# Altium PCB SolderingStation.PcbDoc (part 2 of 2)
Units mm, origin at the board's own origin, x right, y up, seen from the top; angles counter-clockwise.
Board outline 138.15 x 60.81 mm, 2 copper layers (Top Layer, Bottom Layer), stack 1.671 mm thick; 230 components, 136 nets, 690 pads, 476 vias.
Unrouted connection lines stored in the file: 7.
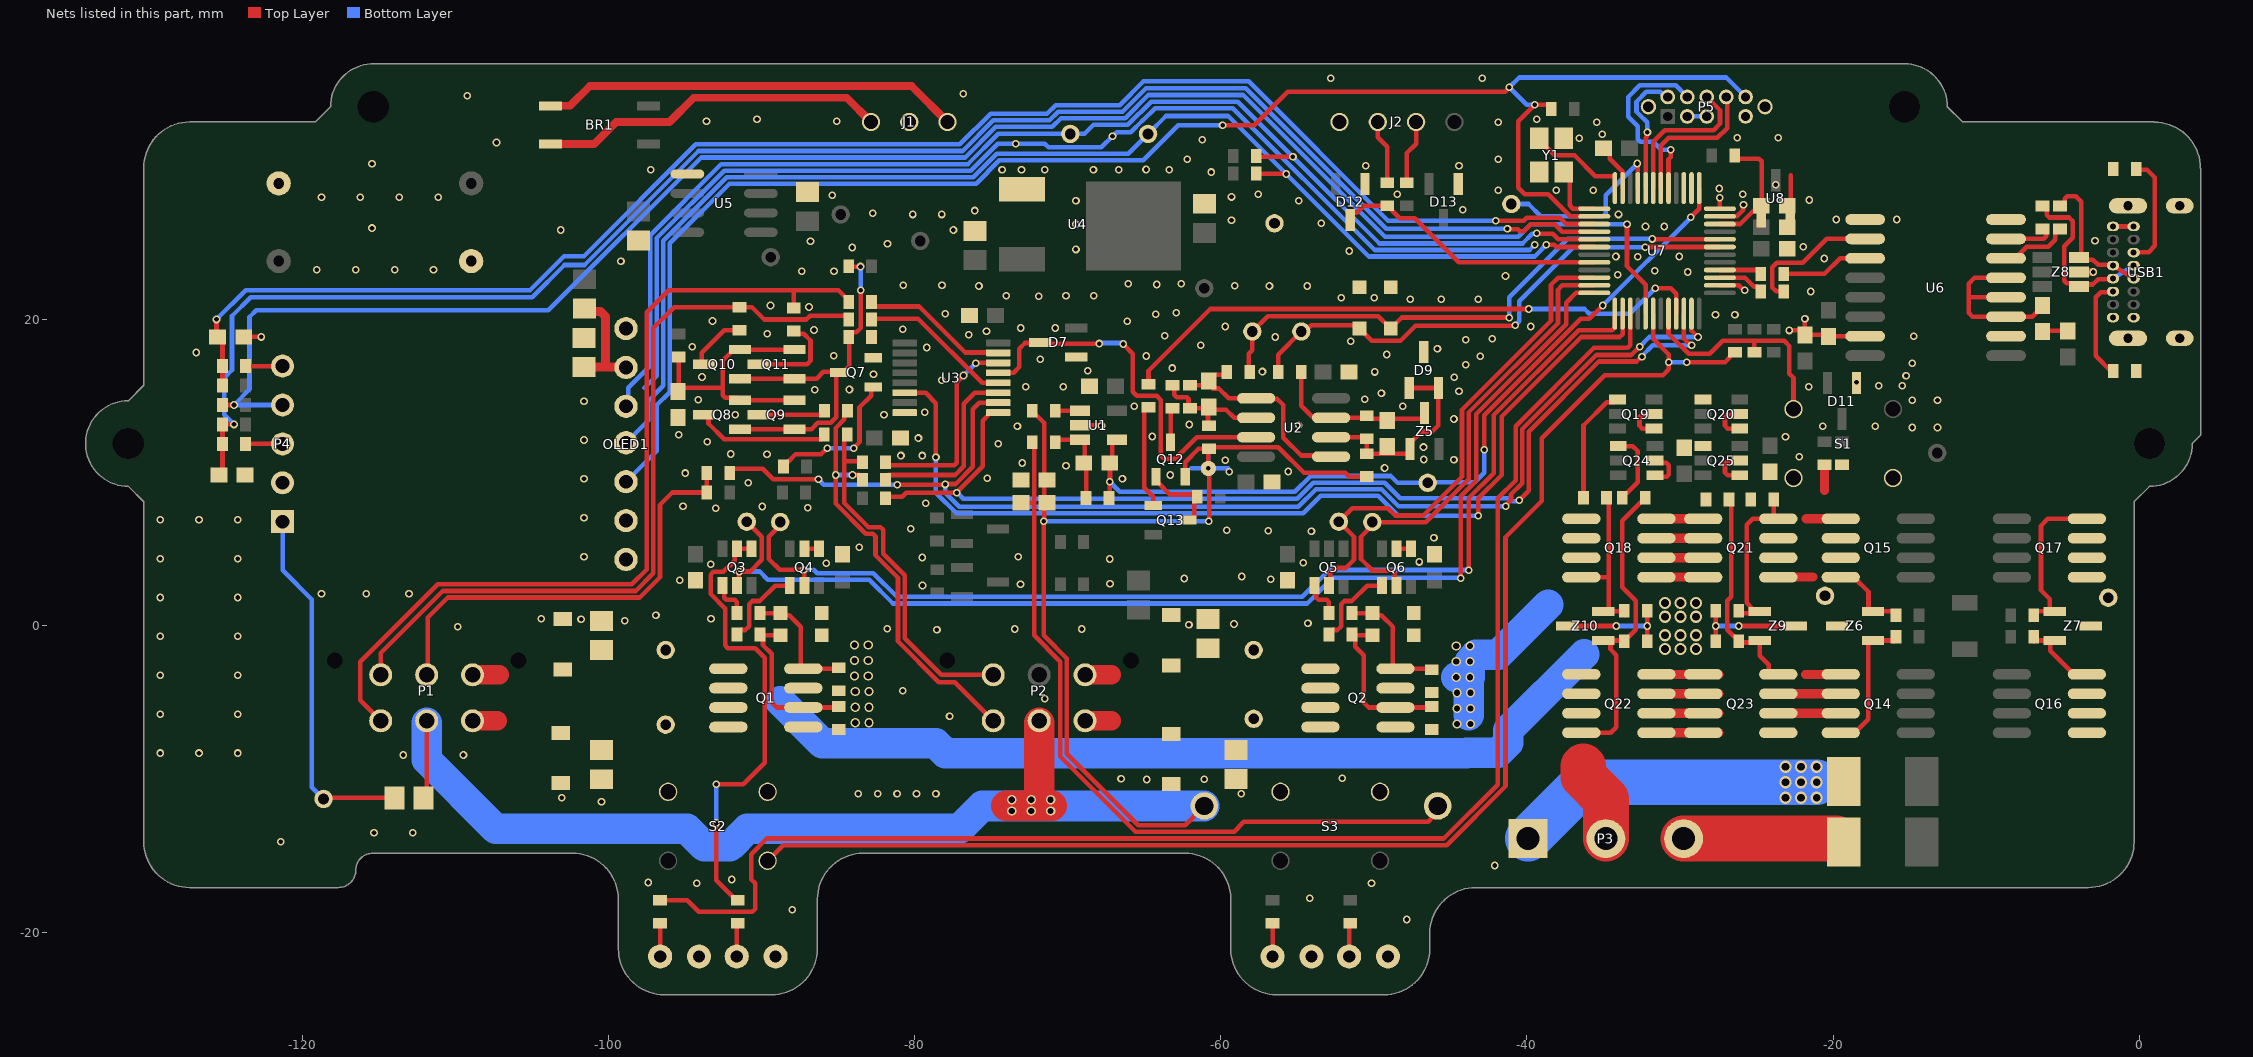
[diagram p2: the nets of this part, all layers, seen from the top]

## Via types
v1: diameter 0.5, hole 0.3, Top Layer to Bottom Layer, tented both sides, 406 vias
v2: diameter 0.8, hole 0.5, Top Layer to Bottom Layer, tented both sides, 39 vias
v3: diameter 0.6, hole 0.4, Top Layer to Bottom Layer, tented both sides, 30 vias
v4: diameter 0.75, hole 0.3, Top Layer to Bottom Layer, tented both sides, 1 vias

## Nets (pads, with @x,y where several pads share a name; then routed paths per layer and width w, separated by ;. In a path a pad name is that pad's centre, name@x,y a point inside that pad or via, vN(x,y) a via of type N, cw(c..) or ccw(c..) an arc to the next point about the centre after c; other vN are vias at no path point) (continued)
CH1a_DRVn: D1a.1 Q5.2 U7.34 | length 33.3
  Top Layer w0.3: Q5.2@-52.936,2.64 -52.845,2.731 -52.845,3.46 -52.516,3.789 -51.83,3.789 -51.297,4.323 -51.297,5.821 D1a.1@-52.287,6.812 -51.398,7.701 -49.098,7.701 -48.611,7.214 -46.78,7.214 -44.242,9.752 -44.242,14.118 -38.428,19.933 -38.428,22.278 -37.954,22.752 U7.34@-35.603,22.752
CH1a_Htr+: C5.1 D3.K H1a.1 P2.4 Q2.5 Q2.6 | length 1.7
  Top Layer w1.27: P2.4@-68.858,-3.191 -67.136,-3.191
CH1a_Thm+: P2.6 R30.1 R35.2 | length 23.4
  Top Layer w0.3: -84.582,10.75 -84.582,12.307 -84.579,12.31 R30.1@-84.579,12.582 ; R35.2@-83.415,10.75 -84.581,10.75 -84.581,8.03 -83.007,6.456 -82.221,6.456 -82.045,6.281 -82.045,4.727 -80.645,3.326 -80.645,-0.795 -78.249,-3.191 P2.6@-74.858,-3.191
CH1b_DRVn: D1b.1 Q6.2 U7.35 | length 30.9
  Top Layer w0.3: Q6.2@-48.528,2.64 -48.644,2.756 -48.644,3.436 -48.819,3.612 -50.078,3.612 -50.84,4.374 -50.84,5.831 -50.103,6.567 D1b.1@-50.103,6.787 -46.603,6.787 -43.815,9.575 -43.815,13.941 -37.973,19.783 -37.973,21.971 -37.692,22.252 U7.35@-35.603,22.252
CH1b_Htr+: C6.1 D4.K H1b.1 P2.1 Q2.7 Q2.8 | length 1.7
  Top Layer w1.27: P2.1@-68.858,-6.191 -67.136,-6.191
CH1b_Thm+: P2.3 R28.1 R36.2 | length 27.5
  Top Layer w0.3: R28.1@-84.582,14.052 -84.582,13.502 -85.155,12.929 v1(-85.155,9.86) -85.155,8.001 -83.184,6.029 -82.726,6.029 -82.55,5.854 -82.55,4.628 -81.077,3.154 -81.077,-0.998 -78.411,-3.664 -77.385,-3.664 P2.3@-74.858,-6.191 ; v1(-84.049,9.86) -83.615,9.86 -83.415,9.66 R36.2@-83.415,9.607
  Bottom Layer w0.3: v1(-85.155,9.86) v1(-84.049,9.86)
CH2_ACT: Q3.4 Q3.5 R9.2 | length 30.5
  Top Layer w0.3: v1(-92.952,-12.872) -92.952,-16.42 -92.939,-16.433 -92.939,-16.615 -91.643,-17.911 R9.2@-91.543,-17.911 ; v1(-92.952,-10.332) -91.185,-10.332 -89.777,-8.924 -89.777,-2.077 -90.412,-1.442 -92.192,-1.442 -92.368,-1.266 -92.368,1.136 -93.32,2.088 -93.32,3.36 -93.144,3.535 -92.481,3.535 -91.747,4.27 -91.747,4.899 Q3.5@-91.606,5.04 Q3.4@-90.656,5.04
  Bottom Layer w0.3: v1(-92.952,-12.872) v1(-92.952,-10.332)
CH2_BTN: R49.1 S2.2 U7.42 | length 92.8
  Top Layer w0.3: S2.2@-89.593,-15.333 -88.569,-14.308 -45.25,-14.308 -41.402,-10.46 -41.402,5.796 -39.035,8.163 -39.035,12.273 -34.925,16.383 -31.115,16.383 -30.734,16.764 v1(-30.734,17.226) -30.734,17.734 -31.753,18.753 U7.42@-31.753,20.402 ; v1(-29.572,17.226) -27.063,17.226 -26.716,17.573 -26.716,17.673 -26.516,17.873 R49.1@-26.416,17.873
  Bottom Layer w0.3: v1(-30.734,17.226) v1(-29.572,17.226)
CH2_ID: P1.5 R12.1 R37.1 | length 29.4
  Top Layer w0.3: P1.5@-111.863,-3.191 -111.782,-3.109 -111.782,0.557 -110.478,1.86 -97.941,1.86 -96.622,3.18 -96.622,7.93 -95.833,8.718 R12.1@-93.575,8.718 R37.1@-93.575,9.988
CH2_SB: D12.3 R54.1 U7.32 | length 18.1
  Top Layer w0.3: D12.3@-51.538,26.569 -51.538,26.844 -51.388,26.994 -51.113,26.994 -50.655,27.452 R54.1@-49.125,27.452 -49.025,27.452 -48.825,27.252 -48.825,27.152 -48.297,26.624 -47.327,26.624 -44.455,23.752 U7.32@-35.603,23.752
CH2_SEL: R61.2 U7.39 | length 96.6
  Top Layer w0.3: R61.2@-96.623,-17.911 -94.833,-17.911 -94.083,-18.661 -90.588,-18.661 -90.412,-18.485 -90.412,-16.809 -90.666,-16.555 -90.666,-14.904 -89.644,-13.881 -45.427,-13.881 -41.91,-10.364 -41.91,8.336 -40.743,9.503 -40.743,13.043 -35.625,18.161 -33.429,18.161 -33.253,18.337 U7.39@-33.253,20.402
CH2a_DRVn: D2a.1 Q3.2 U7.36 | length 77.3
  Top Layer w0.3: Q3.2@-91.606,2.64 -91.478,2.768 -91.478,3.523 v1(-91.44,3.561) -90.729,3.561 -89.967,4.323 -89.967,5.821 D2a.1@-90.957,6.812 ; v1(-44.323,3.129) -44.323,8.463 -43.307,9.479 -43.307,13.845 -37.443,19.71 -37.443,21.104 -36.795,21.752 U7.36@-35.603,21.752
  Bottom Layer w0.3: v1(-91.44,3.561) -90.119,3.561 -89.586,3.027 -82.96,3.027 -81.404,1.472 -54.362,1.472 -52.686,3.148 v1@-44.323,3.148
CH2a_Htr+: C3.1 D1.K H2a.1 P1.4 Q1.5 Q1.6 | length 1.7
  Top Layer w1.27: P1.4@-108.848,-3.186 -107.126,-3.186
CH2a_Thm+: P1.6 R31.1 R32.2 | length 51.3
  Top Layer w0.3: P1.6@-114.863,-3.191 -114.863,-1.763 -110.813,2.287 -98.2,2.287 -97.053,3.434 -97.053,19.463 -95.696,20.821 R31.1@-91.44,20.821 -90.615,20.821 -89.814,20.02 -87.06,20.02 -86.806,20.274 -84.504,20.274 -84.304,20.074 R32.2@-84.304,20.021
CH2b_DRVn: D2b.1 Q4.2 U7.37 | length 73.1
  Top Layer w0.3: D2b.1@-88.773,6.787 -88.773,6.567 -89.51,5.831 -89.51,4.374 -88.811,3.675 v1(-87.225,3.675) ; Q4.2@-87.198,2.64 v1@-87.198,3.561 ; v1(-43.796,3.637) -43.815,3.656 -43.815,8.336 -42.164,9.987 -42.164,13.781 -36.63,19.314 -34.441,19.314 -34.253,19.502 U7.37@-34.253,20.402
  Bottom Layer w0.3: v1(-87.225,3.675) -86.576,3.675 -86.355,3.454 -82.698,3.454 -81.142,1.899 -54.672,1.899 -52.915,3.656 v1@-43.796,3.656
CH2b_Htr+: C4.1 D2.K H2b.1 P1.1 Q1.7 Q1.8 | length 1.7
  Top Layer w1.27: P1.1@-108.975,-6.186 -107.253,-6.186
CH2b_Thm+: P1.3 R29.1 R34.2 | length 57.9
  Top Layer w0.3: P1.3@-114.863,-6.191 -116.193,-4.861 -116.193,-2.331 -111.148,2.714 -98.459,2.714 -97.485,3.688 -97.485,20.503 -96.061,21.926 -87.794,21.926 ; R29.1@-87.884,20.77 -87.884,21.836 -87.794,21.926 ; R34.2@-84.409,21.022 -84.409,21.369 -84.966,21.926 -87.794,21.926
COM: C9.1 C14.1 L2.2 NT1.2 P1.2 P2.2 Q12.2 R11.2 R17.2 R21.2 R24.1 | length 133.6
  Top Layer w0.254: R17.2@-61.202,-11.881 R17.2@-61.075,-11.754
  Top Layer w0.3: L2.2@-112.256,-11.16 -112.068,-11.348 -111.863,-11.143 P1.2@-111.863,-6.318 ; R11.2@-72.036,13.775 -71.54,13.279 -71.54,9.53 -71.54,6.915 -71.566,6.89 v1(-71.566,6.831) -71.566,-0.603 -70.046,-2.123 -70.046,-8.346 -65.389,-13.003 -62.325,-13.003 R17.2@-61.202,-11.881 ; Q12.2@-62.321,9.751 -62.321,10.707 -61.451,11.577 -60.835,11.577 -60.728,11.684 -56.231,11.684 -54.559,10.012 -51.879,10.012 -51.613,9.746 R21.2@-50.827,9.746 ; NT1.2@-60.808,10.292 R24.1@-60.808,11.577 ; v1(-60.782,6.831) -60.763,6.851 NT1.2@-60.763,10.284
  Top Layer w2: -74.012,-11.729 -71.032,-11.729 ; -71.858,-11.334 P2.2@-71.858,-6.318
  Bottom Layer w0.3: v1(-71.566,6.831) v1(-60.782,6.831)
  Bottom Layer w2: P1.2@-111.863,-6.318 -111.863,-8.741 -107.351,-13.253 -94.857,-13.253 -93.717,-14.393 -92.06,-14.393 -90.92,-13.253 -77.077,-13.253 -75.579,-11.754 R17.2@-61.075,-11.754
  other v3: -73.648,-12.084 -72.378,-12.084 -71.108,-12.084 -73.648,-11.348 -72.378,-11.348 -71.108,-11.348
EARTH: ER.1 L2.1 P4.1 | length 23.9
  Top Layer w0.3: ER.1@-118.594,-11.295 -118.52,-11.221 L2.1@-113.968,-11.221
  Bottom Layer w0.3: P4.1@-121.273,6.813 -121.273,3.638 -119.368,1.733 -119.368,-10.521 ER.1@-118.594,-11.295
EXTAL: U7.24 Y1.3 | length 6.8
  Top Layer w0.3: Y1.3@-39.203,31.852 -39.203,31.752 -38.193,30.742 -36.895,30.742 -35.528,29.375 -34.275,29.375 -34.253,29.354 U7.24@-34.253,28.602
EXTAL32: U7.15
GAIN: R33.2 U7.45 | length 39.3
  Top Layer w0.3: R33.2@-64.719,15.792 -64.719,16.667 -60.685,20.701 v1(-39.878,20.701) ; v1(-31.623,22.052) -30.607,22.052 -30.253,21.698 U7.45@-30.253,20.402
  Bottom Layer w0.3: v1(-39.878,20.701) -36.241,20.701 -35.941,20.401 -33.274,20.401 v1(-31.623,22.052)
GND: C1.2 C2.2 C3.2 C4.2 C5.2 C6.2 C7.2 C8.2 C11.2 C12.2 C13.2 C14.2 C17.1 C18.2 C19.2 C20.1 C21.2 C22.1 C23.1 C24.1 C25.1 C28.1 C29.1 C30.1 C31.1 C32.1 C33.1 C34.1 C35.1 C36.1 C37.2 C40.2 D1.A D2.A D3.A D4.A D5.K D6.K D7.1 D8.A D9.3 D10.A D11.1 D12.1 D13.1 D14.K D15.K Gnd.1 J1.2 J2.4 NT1.1 OLED1.1 OLED1.2 OLED1.7 P4.2 P5.0 P5.3 P5.5 P5.9 Q7.2 R19.1 R41.1 S1.1 S1.1b S2.1 S2.1b S3.1 S3.1b U1.2 U3.8 U4.1 U5.5 U6.9 U6.15 U7.2 U7.11 U7.12 U7.23 U8.2 Y1.2 Y1.4 | length 100.2
  Top Layer w0.3: C31.1@-123.813,18.878 v1(-122.67,18.878) ; C3.2@-100.575,0.451 C3.2@-100.445,0.321 ; U1.2@-69.184,13.113 v1@-67.793,13.113 ; C11.2@-68.566,15.651 -68.549,15.651 C11.2@-68.199,15.301 ; C36.1@-34.907,31.04 -34.798,31.04 -34.605,30.847 -34.605,30.508 -33.753,29.656 U7.23@-33.753,28.602 ; U7.2@-27.453,22.252 U7.2@-27.403,22.252 -26.166,22.252 -25.879,21.965 -25.808,21.965 v1(-25.769,21.926) ; U7.11@-27.403,26.752 -26.288,26.752 -25.887,27.153 -25.887,27.483 v1(-25.857,27.513) ; U7.12@-27.403,27.252 v1(-27.403,27.967) ; P5.9@-25.717,33.28 P5.9@-25.719,33.282 P5.9@-25.695,33.282 ; P5.0@-24.449,33.716 P5.0@-24.449,33.917 ; C33.1@-23.002,27.44 -22.775,27.667 -22.775,29.432 ; v1(-22.86,19.304) -22.137,19.304 C29.1@-21.844,19.011 ; v1(-21.844,20.066) C29.1@-21.844,19.011 ; C29.1@-21.756,19.177 C29.1@-21.59,19.011 ; U6.15@-17.43,18.931 U6.15@-17.911,18.931 -20.066,18.931 -20.146,19.011 C29.1@-21.59,19.011 ; C29.1@-21.844,19.011 C29.1@-21.59,19.011
  Top Layer w0.6: P4.2@-121.517,9.353 P4.2@-121.273,9.353
  Bottom Layer w0.3: -97.638,15.55 -96.841,16.347 -96.841,25.342 -92.439,29.743 -76.332,29.743 -74.571,31.504 v1(-73.382,31.504) -71.494,31.504 -71.252,31.262 -67.792,31.262 v1(-67.07,31.985) -67.05,31.985 -66.794,32.24 -65.886,32.24 -65.11,33.016 -65.084,33.016 -64.275,33.825 -59.216,33.825 -49.948,24.557 -39.832,24.557 v1(-39.497,24.892) ; -61.925,10.292 v4(-60.808,10.292) ; NT1.1@-60.808,10.089 v4(-60.808,10.292) ; -60.808,11.155 v4(-60.808,10.292) ; v1@-59.512,10.292 v4(-60.808,10.292) ; P5.3@-29.529,33.282 P5.5@-28.259,33.282 ; P5.9@-25.719,33.282 P5.9@-25.695,33.282
  other v1: -47.855,-19.169 -87.987,-18.534 -54.192,-17.774 -94.222,-16.809 -50.153,-16.809 -97.385,-16.756 -91.936,-16.555 -42.102,-15.64 -121.388,-14.089 -115.304,-13.507 -112.764,-13.507 -100.445,-11.475 -103.036,-11.221 -83.681,-10.967 -82.411,-10.967 -81.141,-10.967 -79.871,-10.967 -78.601,-10.967 -58.662,-10.967 -64.835,-10.027 -61.075,-10.001 -66.511,-9.976 -52.058,-9.951 -113.399,-8.427 -109.462,-8.427 -129.274,-8.3 -126.734,-8.3 -124.194,-8.3 -77.712,-5.887 -129.274,-5.76 -124.194,-5.76 -71.489,-4.744 -80.76,-4.236 -129.274,-3.22 -124.194,-3.22 -129.274,-0.68 -124.194,-0.68 -78.537,-0.249 -73.457,-0.198 -69.088,-0.198 -81.776,-0.172 -109.843,-0.045 -62.078,0.081 -59.131,0.132 -54.305,0.183 -98.921,0.336 -104.382,0.463 -101.78,0.451 -93.294,0.462 -96.889,0.692 -129.274,1.86 -124.194,1.86 -118.733,2.114 -115.812,2.114 -113.018,2.114 -79.477,2.646 -73.076,2.723 -67.234,2.748 -95.326,2.977 -56.744,3.053 -62.382,3.104 -58.623,3.231 -93.32,4.043 -85.776,4.094 -54.61,4.12 -47.034,4.183 -67.259,4.374 -129.274,4.4 -124.194,4.4 -79.502,4.475 -101.588,4.527 -73.228,4.526 -83.617,5.136 -46.076,5.771 -54.077,6.177 -56.896,6.228 -59.614,6.253 -80.239,6.355 -129.274,6.94 -126.734,6.94 -124.194,6.94 -101.588,7.067 -92.989,7.701 -86.97,7.726 -89.941,7.803 -95.123,7.828 -79.273,8.006 -90.856,9.352 -101.588,9.607 -66.421,9.606 -75.26,9.657 -63.297,9.86 -94.984,9.988 -59.436,10.063 -55.601,10.089 -49.301,10.322 -70.104,10.47 -72.974,10.647 -59.715,10.825 -44.769,10.852 -46.736,10.876 -22.225,11.049 -80.887,11.131 -79.49,11.131 -89.637,11.206 -91.999,11.232 -46.759,11.686 -74.524,11.892 -93.548,12.044 -101.588,12.147 -79.744,12.274 -23.114,12.349 -64.465,12.375 -95.402,12.502 -14.835,12.962 -13.184,12.962 -73.279,13.035 -20.689,13.036 -17.26,13.036 -67.793,13.086 -54.915,13.111 -62.052,13.162 -44.769,13.518 -91.719,13.797 -81.991,13.797 -79.324,13.949 -65.659,14.356 -48.108,14.356 -101.588,14.687 -14.835,14.74 -13.184,14.74 -94.132,14.788 -50.585,14.814 -49.505,15.194 -44.438,15.322 -86.512,15.423 -84.252,15.448 -72.746,15.626 -70.282,15.626 -21.59,15.621 -17.018,15.702 -15.494,15.702 -18.48,15.932 -78.22,16.059 -44.755,16.248 -93.878,16.261 -15.24,16.337 -82.677,16.439 -49.95,16.592 -57.277,16.616 -68.682,16.667 -63.17,16.845 -43.993,17.054 -14.835,17.153 -71.78,17.429 -43.053,17.607 -64.872,17.632 -85.268,17.658 -49.149,17.734 -126.916,17.862 -45.847,18.115 -79.197,18.191 -94.513,18.242 -61.316,18.344 -51.511,18.598 -43.993,18.705 -42.266,18.75 -56.439,18.877 -14.732,18.923 -63.652,18.953 -76.454,19.029 -89.611,19.08 -75.299,19.259 -86.563,19.334 -80.76,19.386 -73.064,19.463 -70.815,19.461 -59.715,19.563 -39.751,19.558 -66.116,19.893 -93.193,19.918 -27.686,20.32 -26.416,20.32 -64.237,20.35 -78.003,20.402 -62.916,20.452 -86.893,20.833 -89.408,20.934 -47.625,21.341 -45.593,21.341 -43.18,21.341 -52.121,21.436 -49.98,21.436 -71.882,21.544 -74.016,21.569 -70.104,21.569 -68.301,21.569 -21.463,21.844 -75.794,22.204 -56.82,22.204 -54.356,22.204 -59.08,22.23 -80.747,22.255 -78.207,22.255 -64.186,22.306 -66.04,22.357 -62.586,22.357 -41.402,22.86 -34.061,22.941 -29.489,23.119 -87.358,23.179 -85.258,23.179 -31.648,23.195 -119.038,23.273 -116.498,23.273 -113.958,23.273 -111.418,23.273 -99.175,23.831 -20.574,24.003 -32.766,24.109 -34.188,24.135 -30.048,24.135 -51.613,24.49 -69.457,24.593 -84.062,24.72 -21.947,24.773 -81.763,24.973 -86.792,25.125 -103.112,25.863 -77.458,25.863 -115.431,25.99 -32.258,26.091 -31.039,26.091 -69.457,26.244 -53.429,26.307 -59.297,26.498 -19.788,26.551 -15.851,26.551 -80.125,26.879 -78.22,26.879 -34.024,26.879 -82.728,26.954 -76.061,27.133 -44.196,27.178 -69.457,27.768 -54.902,27.78 -21.566,27.821 -118.733,27.997 -116.193,27.997 -113.653,27.997 -111.113,27.997 -59.297,28.022 -85.369,28.123 -57.545,28.2 -48.477,28.2 -25.908,28.194 -41.886,28.456 -38.076,28.456 -35.663,28.456 -27.432,28.575 -23.749,28.829 -60.618,29.648 -97.234,29.789 -74.283,29.8 -73.013,29.8 -71.489,29.8 -68.314,29.8 -66.663,29.8 -64.878,29.812 -63.361,29.8 -50.534,30.054 -44.438,30.054 -115.431,30.181 -62.193,30.486 -41.886,30.488 -107.303,31.578 -61.202,31.756 -36.576,31.856 -26.265,31.885 -23.598,31.885 -35.077,32.11 -41.886,32.901 -35.433,32.893 -93.587,32.975 -85.078,32.975 -90.285,33.102 -39.358,33.102 -109.208,34.626 -76.823,34.753 -52.82,35.769 -42.914,35.769
Gnd_USB: C26.1 C27.1 R50.2 R53.2 U6.2 U6.8 USB1.A1 USB1.A12 USB1.B1 USB1.B12 USB1.SH Z8.2 | length 4.7
  Top Layer w0.3: C27.1@-6.619,18.931 C27.1@-6.326,19.224 ; C27.1@-6.326,19.177 -6.23,19.273 C26.1@-4.675,19.273 ; USB1.A12@-1.723,26.093 USB1.B1@-0.374,26.093
  Top Layer w0.508: C27.1@-6.572,18.931 C27.1@-6.326,19.177 ; Z8.2@-3.945,23.122 v1(-3.024,23.122)
  other v1: -2.897,25.154
HIGH_G_AMP: D8.K HGA.1 R20.1 U7.7 | length 34.5
  Top Layer w0.3: R20.1@-56.249,16.591 -56.249,17.721 HGA.1@-54.737,19.233 -54.493,19.233 -54.087,19.639 -51.141,19.639 D8.K@-50.931,19.429 -50.633,19.131 -50.631,19.129 -50.124,18.623 -48.26,18.623 -47.279,19.604 -40.795,19.604 v1(-40.764,19.636) ; v1(-32.283,24.744) -32.275,24.752 U7.7@-27.453,24.752
  Bottom Layer w0.3: v1(-40.764,19.636) -40.764,19.66 -40.513,19.911 -40.513,21.209 -36.978,24.744 v1(-32.283,24.744)
HIGH_G_IN: C16.2 R26.2 R27.2 U2.1 U2.5 | length 13.3
  Top Layer w0.3: R26.2@-62.027,15.715 -61.009,15.715 C16.2@-60.858,15.866 ; R27.2@-59.678,16.591 -59.847,16.422 -60.302,16.422 -60.458,16.266 -60.508,16.266 -60.858,15.916 C16.2@-60.858,15.866 ; U2.1@-58.426,14.867 -59.487,14.867 -60.129,15.509 -60.508,15.509 -60.858,15.859 C16.2@-60.858,15.866 ; U2.1@-57.689,14.867 -57.648,14.826 -56.299,14.826 -55.905,14.432 -55.905,12.298 -54.741,11.134 -52.866,11.134 U2.5@-52.789,11.057
LOW_G_AMP: D10.K LGA.1 R27.1 U7.8 | length 36.9
  Top Layer w0.3: R27.1@-58.178,16.591 -58.178,17.773 -57.937,18.013 LGA.1@-57.937,18.928 ; LGA.1@-57.937,19.233 -56.939,20.231 -49.701,20.231 D10.K@-48.899,19.429 -48.181,20.147 -41.164,20.147 v1(-41.148,20.131) ; v1(-31.826,25.279) -31.799,25.252 -28.303,25.252 U7.8@-27.453,25.252
  Bottom Layer w0.3: v1(-41.148,20.131) -41.148,21.463 -37.332,25.279 v1(-31.826,25.279)
LOW_G_IN: D7.3 U2.3 U3.13 | length 25.7
  Top Layer w0.3: U3.13@-74.535,16.536 -74.523,16.549 -73.516,16.549 -73.152,16.913 -73.152,18.115 -72.786,18.481 -71.828,18.481 D7.3@-71.787,18.521 -71.711,18.445 v1(-67.945,18.445) ; v1(-66.37,18.42) -65.735,17.785 -65.735,15.296 -65.481,15.042 -64.186,15.042 -63.906,14.762 -63.906,11.155 -63.678,10.927 -62.967,10.927 -61.566,12.327 U2.3@-57.689,12.327
  Bottom Layer w0.3: v1(-67.945,18.445) -67.907,18.483 -66.488,18.483 -66.424,18.42 v1(-66.37,18.42)
MUX_En: U3.6 U7.38 | length 63.7
  Top Layer w0.3: U3.6@-80.535,15.236 -79.277,15.236 -78.601,14.56 v1(-78.601,11.023) ; v1(-43.18,7.193) -43.18,8.336 -41.656,9.86 -41.656,13.685 -36.464,18.877 -33.929,18.877 -33.753,19.053 U7.38@-33.753,20.402
  Bottom Layer w0.3: v1(-78.601,11.023) -78.601,8.701 -77.258,7.358 -54.623,7.358 -53.467,8.514 -49.708,8.514 -48.387,7.193 v1(-43.18,7.193)
MUX_SEL0/ID1: R39.2 U3.9 U7.46 | length 69.3
  Top Layer w0.3: R39.2@-81.915,8.337 -81.811,8.442 -80.793,8.442 -80.537,8.698 v1(-77.249,8.698) ; v1@-77.263,8.712 -75.553,10.421 -75.553,13.41 -75.185,13.778 -75.185,13.861 -75.11,13.936 U3.9@-74.635,13.936 ; v1(-40.513,8.209) -39.889,8.833 -39.889,12.689 -35.306,17.272 -32.847,17.272 -32.539,17.58 v1(-32.485,17.58) ; U7.46@-29.753,20.402 -29.753,18.779 -29.304,18.33 v1(-29.249,18.33)
  Bottom Layer w0.3: v1(-77.249,8.698) -77.195,8.698 -76.807,8.311 -55.011,8.311 -53.953,9.368 -49.292,9.368 -48.279,8.355 -41.165,8.355 -40.961,8.151 -40.712,8.151 -40.693,8.171 -40.551,8.171 v1(-40.513,8.209) ; v1(-32.485,17.58) -32.485,17.634 -31.789,18.33 v1(-29.249,18.33)
MUX_SEL1/ID2: R37.2 U3.10 U7.47 | length 82.1
  Top Layer w0.3: R37.2@-92.075,9.988 -92.075,10.066 -91.875,10.266 -89.916,10.266 -89.23,9.581 v1(-86.273,9.581) ; v1(-81.128,9.225) -78.024,9.225 v1(-78.003,9.245) ; v1@-78.003,9.225 -77.953,9.275 -77.303,9.275 -76.188,10.39 -76.188,14.164 -75.766,14.586 U3.10@-74.635,14.586 ; v1(-41.383,7.828) -41.383,7.882 -41.04,8.225 -41.04,8.602 -40.316,9.326 -40.316,12.866 -35.483,17.699 -33.182,17.699 v1(-32.639,18.242) ; U7.47@-29.253,20.402 -29.253,19.301 v1(-28.829,18.877)
  Bottom Layer w0.3: v1(-86.273,9.581) -85.917,9.225 v1(-81.128,9.225) ; v1(-78.003,9.245) -78.003,8.707 -77.081,7.785 -54.932,7.785 -53.777,8.941 -49.5,8.941 -48.387,7.828 v1(-41.383,7.828) ; v1(-32.639,18.242) -32.004,18.877 v1(-28.829,18.877)
NetBR1_3: BR1.3 J1.1 | length 27.4
  Top Layer w0.508: BR1.3@-103.772,33.971 -102.497,33.971 -101.207,35.261 -80.187,35.261 J1.1@-77.843,32.917
NetBR1_4: BR1.4 J1.3 | length 22.8
  Top Layer w0.508: BR1.4@-103.772,31.471 -100.933,31.471 -99.487,32.917 -96,32.917 -94.418,34.499 -84.425,34.499 J1.3@-82.843,32.917
NetC10_1: C10.1 R14.1 R15.1 U1.3 | length 5.1
  Top Layer w0.3: R14.1@-70.536,12.097 -70.47,12.163 U1.3@-69.134,12.163 ; U1.3@-68.873,12.097 -68.873,10.978 -68.797,10.901 R15.1@-68.797,8.438
NetC15_1: C15.1 D9.1 D9.2 R21.1 R23.1 U2.6 Z5.1 | length 13.6
  Top Layer w0.3: U2.6@-52.839,12.327 U2.6@-52.797,12.285 ; U2.6@-52.789,12.327 -50.573,12.327 -50.458,12.212 R21.1@-50.458,11.258 Z5.1@-47.785,11.258 ; Z5.1@-47.71,11.258 Z5.1@-47.785,11.258 ; D9.1@-47.686,15.543 D9.2@-45.786,15.543 -45.786,13.096 -46.177,12.705 -46.866,12.705 -47.441,12.13 -47.485,12.13 -47.635,11.98 Z5.1@-47.635,11.555 -47.635,11.408 Z5.1@-47.785,11.258
NetC15_2: C15.2 R20.2 R23.2 U2.7 Z5.3 | length 11.5
  Top Layer w0.3: R20.2@-54.749,16.591 -54.749,14.382 -54.022,13.655 -52.897,13.655 -52.839,13.597 U2.7@-52.789,13.597 R23.2@-50.458,13.597 ; R23.2@-50.458,13.724 -50.282,13.548 -49.651,13.548 -49.301,13.198 C15.2@-49.301,13.174 ; C15.2@-49.301,13.148 C15.2@-49.301,13.174 ; C15.2@-49.126,13.525 C15.2@-48.951,13.525 ; Z5.3@-46.685,13.905 -46.685,13.675 -46.835,13.525 C15.2@-48.951,13.525 ; C15.2@-49.301,13.174 -49.039,13.437 C15.2@-48.951,13.525
NetC16_1: C16.1 R24.2 R25.1 R26.1 U2.2 | length 7.1
  Top Layer w0.3: R25.1@-63.123,15.717 R25.1@-63.121,15.719 ; R25.1@-63.094,15.715 -63.042,15.663 -63.042,15.116 -62.866,14.94 -62.204,14.94 -62.104,14.84 -62.104,14.289 -62.029,14.214 -62.027,14.215 -60.908,14.215 C16.1@-60.858,14.166 ; R24.2@-60.835,13.077 -60.835,14.117 -59.655,14.117 -59.128,13.59 U2.2@-58.483,13.59
NetC17_2: C17.2 Q8.2 Q9.2 Q10.2 Q11.2 R22.2 | length 17.1
  Top Layer w0.3: C17.2@-95.453,15.307 -95.211,15.55 -92.532,15.55 ; C17.2@-95.434,15.568 -95.402,15.6 R22.2@-95.402,17.568 ; -89.648,18.05 -91.821,18.05 -91.971,17.9 -91.971,17.897 -92.532,17.337 -92.532,15.55 ; -89.625,18.05 Q11.2@-87.84,18.05 ; Q9.2@-87.84,14.748 Q8.2@-91.396,14.748 -91.546,14.898 -92.356,14.898 -92.532,15.074 -92.532,15.55
NetC35_2: C35.2 L3.2 OLED1.6 | length 8
  Top Layer w0.6: C35.2@-101.776,17.1 C35.2@-101.588,16.912 -100.229,16.912 ; L3.2@-101.549,20.746 -101.351,20.549 -100.529,20.549 -100.178,20.197 -100.178,16.964 -100.229,16.912 ; OLED1.6@-98.82,16.909 OLED1.6@-98.843,16.885 -98.87,16.912 -100.229,16.912
NetD5_A: D5.A R9.1 | length 2.3
  Top Layer w0.3: D5.A@-91.553,-21.523 D5.A@-91.613,-21.583 -91.613,-19.481 R9.1@-91.543,-19.411
NetD6_A: D6.A R10.1 | length 2.4
  Top Layer w0.3: R10.1@-51.538,-19.411 -51.613,-19.486 D6.A@-51.613,-21.583 D6.A@-51.461,-21.431
NetD14_A: D14.A R57.2 | length 2.3
  Top Layer w0.3: R57.2@-56.618,-19.411 -56.613,-19.416 D14.A@-56.613,-21.583 D14.A@-56.527,-21.497
NetD15_A: D15.A R61.1 | length 2.2
  Top Layer w0.3: R61.1@-96.623,-19.411 -96.613,-19.421 D15.A@-96.613,-21.583 D15.A@-96.593,-21.563
NetF1_1: F1.1 P3.3 | length 10
  Top Layer w3: P3.3@-29.769,-13.889 F1.1@-19.812,-13.889
NetF2_1: F2.1 P3.1 | length 20.4
  Bottom Layer w3: P3.1@-39.929,-13.889 -36.246,-10.206 v2(-21.082,-10.206)
  other v2: -23.114,-11.222 -22.098,-11.222 -21.082,-11.222 -23.114,-10.206 -22.098,-10.206 -23.114,-9.19 -22.098,-9.19 -21.082,-9.19